# Altium PCB HIP4082-DRIVER.PcbDoc
Units mil, origin at the board's own origin, x right, y up, seen from the top; angles counter-clockwise.
Board outline 2992.13 x 1417.32 mil, 2 copper layers (Top Layer, Bottom Layer); 59 components, 43 nets, 235 pads, 103 vias.
Unrouted connection lines stored in the file: 46.
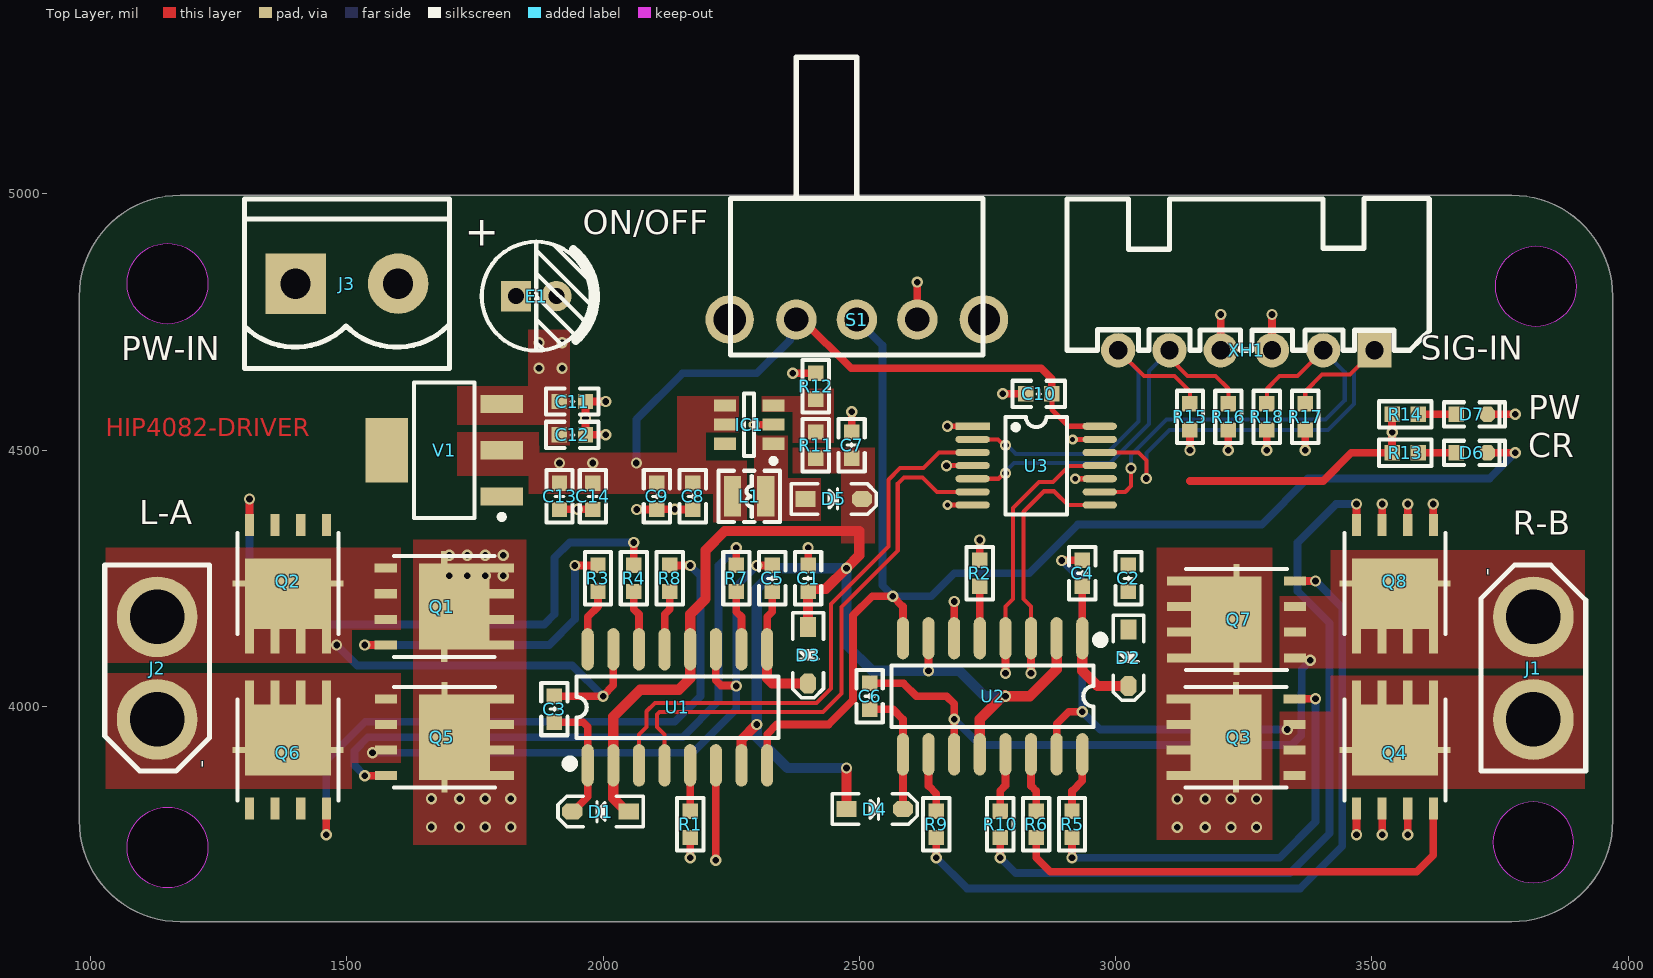
[diagram p0: Top Layer view]
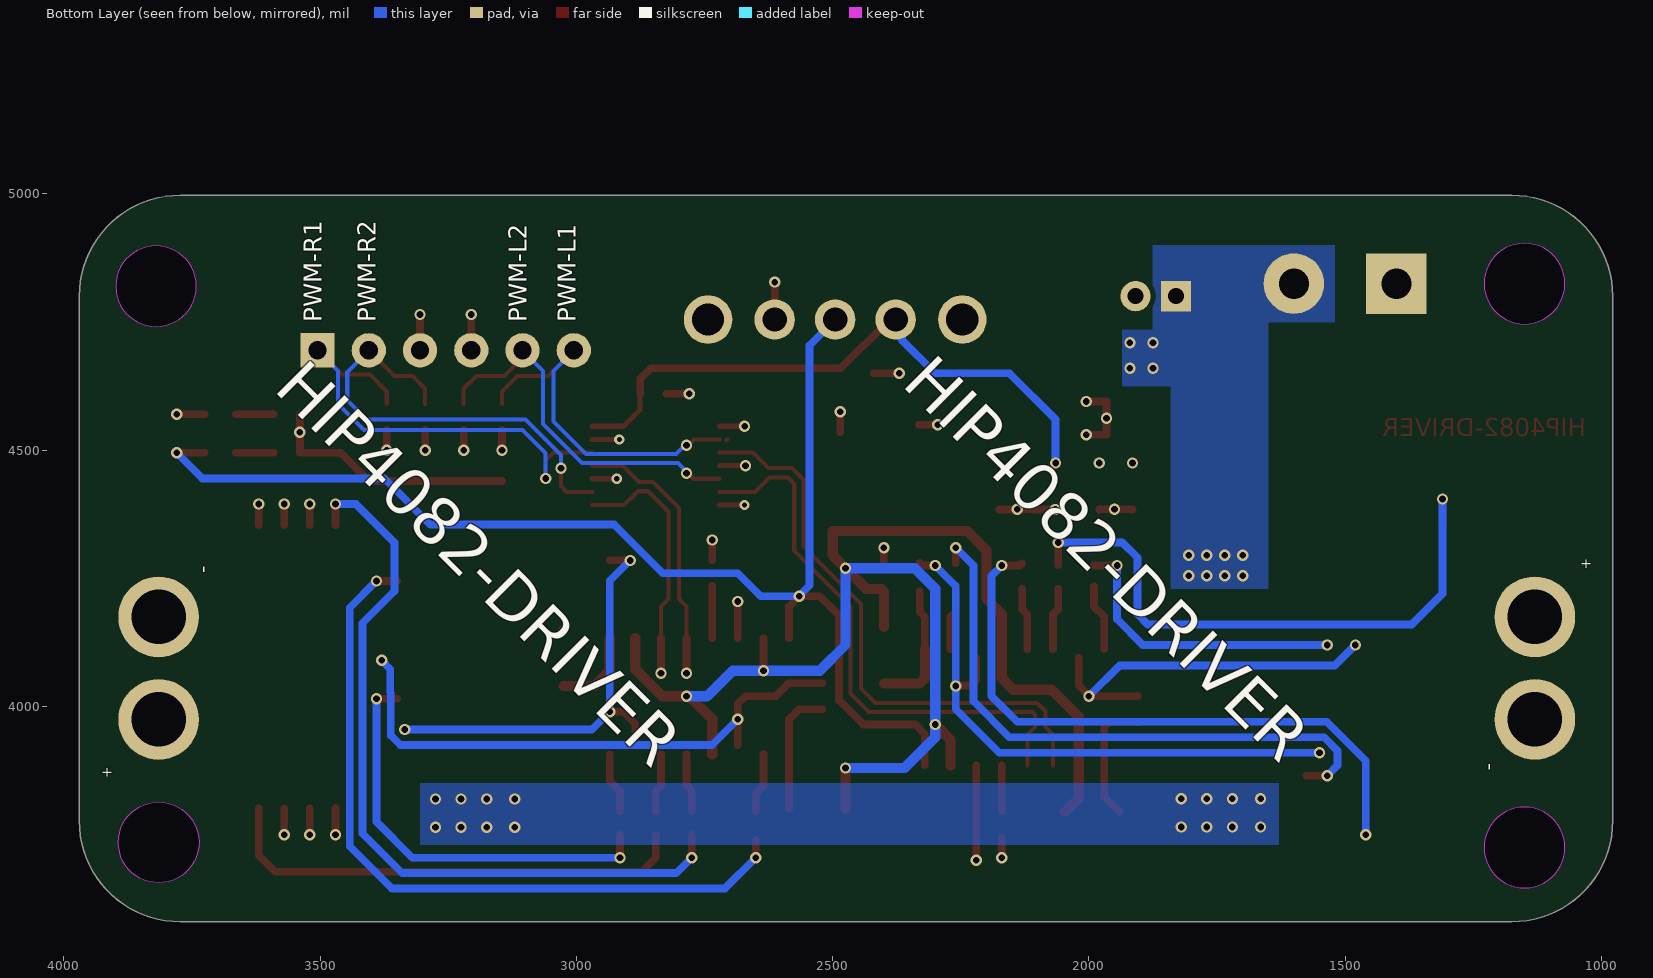
[diagram p1: Bottom Layer view, seen from below]
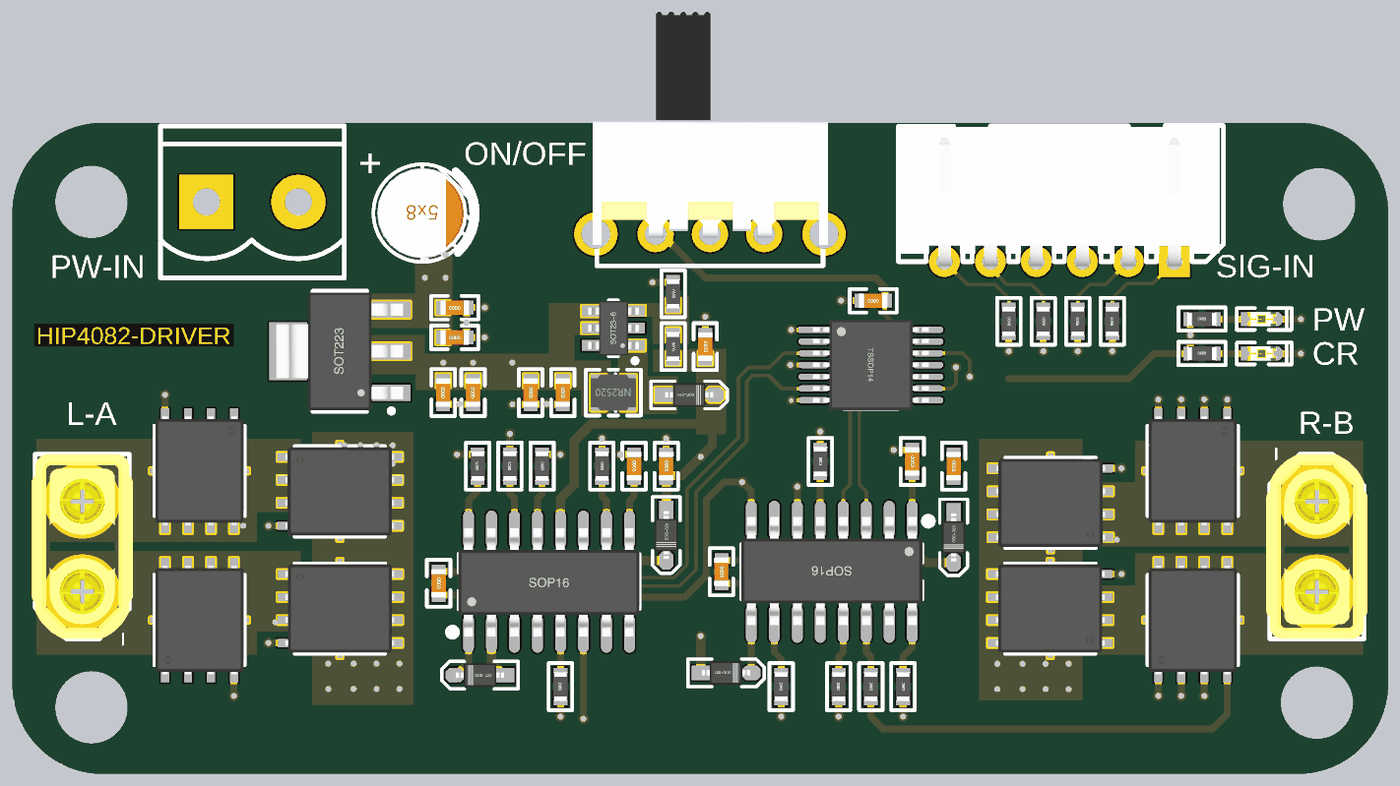
[diagram p2: 3D render of the assembled board from above, using the file's embedded part models]

## Layer stack, top to bottom
Top Solder: solder mask 0.4, Solder Resist, Dk 3.5
Top Layer: signal copper 1.4
Dielectric 1: dielectric 12.6, FR-4, Dk 4.8
Bottom Layer: signal copper 1.4
Bottom Solder: solder mask 0.4, Solder Resist, Dk 3.5

## Board outline
977.87,3776.85 977.87,4800.47 cw(c1174.72,4800.47) 1174.72,4997.32 3773.15,4997.32 cw(c3773.15,4800.47) 3970,4800.47 3970,3776.85 cw(c3773.15,3776.85) 3773.15,3580 1174.72,3580 cw(c1174.72,3776.85)
cut-out: 3820,4741.26 cw(c3820,4820) 3741.26,4820 cw(c3820,4820) 3820,4898.74 cw(c3820,4820) 3898.74,4820 cw(c3820,4820)
cut-out: 1150,3646.26 cw(c1150,3725) 1071.26,3725 cw(c1150,3725) 1150,3803.74 cw(c1150,3725) 1228.74,3725 cw(c1150,3725)
cut-out: 3736.26,3735 ccw(c3815,3735) 3815,3656.26 ccw(c3815,3735) 3893.74,3735 ccw(c3815,3735) 3815,3813.74 ccw(c3815,3735)
cut-out: 1150,4746.26 cw(c1150,4825) 1071.26,4825 cw(c1150,4825) 1150,4903.74 cw(c1150,4825) 1228.74,4825 cw(c1150,4825)

## Design rules (kind name [scope] priority, off if disabled: settings)
BoardOutlineClearance [All] p1: gap=10 ignorepadtopadclearanceinfootprint=FALSE except(0: Arc-SplitContinuation Track-SplitContinuation SMDPad-SplitContinuation THPad-SplitContinuation Via-SplitContinuation Fill-SplitContinuation Region-SplitContinuation Text-SplitContinuation; 30: Poly-OutlineEdge Poly-CavityEdge Poly-CutoutEdge Poly-SplitBarrior Poly-SplitContinuation)
Clearance [All] p1: gap=10 ignorepadtopadclearanceinfootprint=FALSE
DiffPairsRouting [All] p1: maxlimit=10 minlimit=10 mostfreqgap=10 toplayer_minwidth=8 toplayer_maxwidth=15 toplayer_prefwidth=8 bottomlayer_minwidth=8 bottomlayer_maxwidth=15 bottomlayer_prefwidth=8 maxuncoupledlength=500
MinimumAnnularRing [All] p1: minimumring=10
PlaneConnect power [All] p1: planeconnectstyle=Direct reliefexpansion=20 reliefentries=4 reliefconductorwidth=10 reliefairgap=10
PolygonConnect [All] p1: connectstyle=Direct reliefconductorwidth=10 reliefentries=4 polygonreliefangle="90 Angle" airgapwidth=10
RoutingVias [All] p1: holewidth=12 width=22 viastyle="Through Hole" minholewidth=12 minwidth=20 maxholewidth=50 maxwidth=50
SolderMaskExpansion [All] p1: expansion=4 istentingtop=FALSE
Width [All] p1: maxlimit=80 minlimit=6 preferedwidth=8
28 further rules are at their usual default settings.

## Classes and differential pairs
net class POWER: 5V 12V GND L-A L-B R-A R-B

## Components (designator, comment, footprint, x,y, rotation, side; value= is the part's Value field where it differs from the comment)
C1 "4.7nF" C0603_L 2400,4250 r270 top
C2 "4.7nF" C0603_L 3025,4250 r270 top
C3 "4.7nF" C0603_L 1905,3995 r270 top
C4 "4.7nF" C0603_L 2935,4260 r270 top
C5 "4.7nF" C0603_L 2330,4250 r270 top
C6 "4.7nF" C0603_L 2520,4020 r270 top
C7 "4.7uF" C0603_L 2485,4510 r270 top
C8 "4.7uF" C0603_L 2175,4410 r270 top
C9 "0.1uF" C0603_L 2105,4410 r270 top
C10 "100nF" C0603_L 2850,4610 r180 top
C11 "10nF" C0603_L 1940,4595 r180 top
C12 "0.1nF" C0603_L 1940,4530 r180 top
C13 "10nF" C0603_L 1915,4410 r90 top
C14 "0.1nF" C0603_L 1980,4410 r90 top
D1 "1N5819" SOD-323 1995,3795 r180 top
D2 "1N5819" SOD-323 3025,4095 r270 top
D3 "1N5819" SOD-323 2400,4100 r270 top
D4 "1N5819" SOD-323 2530,3800 r0 top
D5 "1N5819" SOD-323 2450,4405 r0 top
D6 "LED" LED-0603_R 3695,4495 r0 top
D7 "LED" LED-0603_R 3695,4570 r0 top
E1 "10uF/25V" CT-2.0*5*8-R 1869.53,4800.63 r180 top
IC1 "SX1308" SOT23-6N 2285,4550 r180 top
J1 "XT30" XT30-M 3815,4074.79 r90 top
J2 "XT30" XT30-M 1130,4075 r270 top
J3 "HT-2P" CZ-5.08-L-Z-2P 1400,4825 r0 top
L1 "10uH" NR2520 2285,4410 r180 top
Q1 "TPH1R403NL" DFN5x6 1690,4195 r270 top
Q2 "TPH1R403NL" DFN5x6 1385,4239.69 r180 top
Q3 "TPH1R403NL" DFN5x6 3235,3940 r90 top
Q4 "TPH1R403NL" DFN5x6 3545,3915 r0 top
Q5 "TPH1R403NL" DFN5x6 1690.31,3940 r270 top
Q6 "TPH1R403NL" DFN5x6 1385,3915 r0 top
Q7 "TPH1R403NL" DFN5x6 3235.83,4170 r90 top
Q8 "TPH1R403NL" DFN5x6 3545,4239.69 r180 top
R1 "10K" R0603_L 2170,3770 r90 top
R2 "10K" R0603_L 2735,4260 r270 top
R3 "100R" R0603_L 1990,4250 r90 top
R4 "100R" R0603_L 2060,4250 r90 top
R5 "100R" R0603_L 2915,3770 r270 top
R6 "100R" R0603_L 2845,3770 r270 top
R7 "100R" R0603_L 2260,4250 r270 top
R8 "100R" R0603_L 2130,4250 r270 top
R9 "100R" R0603_L 2650,3770 r90 top
R10 "100R" R0603_L 2775,3770 r90 top
R11 "200K" R0603_L 2415,4510 r270 top
R12 "10K" R0603_L 2415,4625 r270 top
R13 "10K" R0603_L 3565,4495 r0 top
R14 "10K" R0603_L 3565,4570 r0 top
R15 "1K" R0603_L 3145,4565 r270 top
R16 "1K" R0603_L 3220,4565 r270 top
R17 "1K" R0603_L 3370,4565 r90 top
R18 "1K" R0603_L 3295,4565 r90 top
S1 "SS-12F23" SS-12F23 2495,4755 r90 top
U1 "HIP4082IBZT" SOP16_M 2145,3998.5 r90 top
U2 "HIP4082IBZT" SOP16_M 2760,4020 r270 top
U3 "SN74HC125PWR" TSSOP14 2845,4470 r0 top
V1 "SPX1117-3V3" SOT223_L 1690,4500 r180 top
XH1 "XH2.54-6P" XH2.54-6P-WI 3255,4695 r180 top

## Footprints (in the part's own frame and the unit in brackets; to place one, negate y for a bottom-side part, rotate by r counter-clockwise, add the part's x,y. Pads: shape width x height; smd on the part's side, far side on the other; paste and mask are expansions set on the pad)
C0603_L [mil] "无极性贴片电容"
  rect 30x30 smd: 1(-25.59,0) 2(25.59,0)
  silkscreen extent -51,-26 51,26, body extent -31,-16 32,16, height 33
CT-2.0*5*8-R [mm] "脚距2mm , 直径5mm , 高8mm"
  rect 1.5x1.5 hole 0.8: 1(1,0)
  round 1.5 hole 0.8: 2(-1,0)
  silkscreen extent -2.96,-2.7 2.7,2.7, body extent -2.5,-2.49 2.5,2.49, height 8.06
CZ-5.08-L-Z-2P [mm]
  rect 3x3 hole 1.5: 1(0,0)
  round 3 hole 1.5: 2(5.08,0)
  silkscreen extent -2.54,-4.2 7.62,4.2, body extent -2.58,-4.25 7.58,4.15, height 10.27
DFN5x6 [mm]
  rect 0.45x1.6 smd: 1(-1.905,2.65) 1(-0.635,2.65) 1(0.635,2.65) 1(1.905,2.65)
  rect 5.5x0.3 smd: 1(0,0)
  rect 4.25x3.5 smd: 1(0,0.5)
  rect 0.45x1.1 smd: 2(1.905,-2.9) 3(-1.905,-2.9) 3(-0.635,-2.9) 3(0.635,-2.9)
  silkscreen extent -2.5,-2.5 2.5,2.5, body extent -2.45,-3 2.45,3, height 1
LED-0603_R [mil] "红色0603LED"
  rect 30x30 smd: 1(-30.59,0)
  oct 30x30 smd: 2(30.59,0)
  silkscreen extent -54,-24 65,24, body extent -32,-16 31,16, height 24
NR2520 [mm] "2.5mm*2.0mm*1.0mm(长*宽*高）"
  rect 0.85x2 smd: 1(-0.825,0) 2(0.825,0)
  silkscreen extent -1.52,-1.27 1.52,1.27, body extent -1.25,-1 1.25,1, height 1.12
R0603_L [mil] "1/10W贴片电阻"
  rect 30x30 smd: 1(-25.59,0) 2(25.59,0)
  silkscreen extent -51,-26 51,26, body extent -31,-16 32,16, height 16
SOD-323 [mm] "1.8x1.3X0.9mm（长宽高，不包括引脚）"
  rect 1x0.8 smd: 1(-1.4,0)
  oct 1x0.8 smd: 2(1.4,0)
  silkscreen extent -2.11,-0.76 2.11,0.76, body extent -1.32,-0.65 1.32,0.65, height 0.95
SOP16_M [mm] "10.3*6.2*1.8mm（长宽高）"
  oval 2.1x0.6 smd: 1(-2.875,4.445) 2(-2.875,3.175) 3(-2.875,1.905) 4(-2.875,0.635) 5(-2.875,-0.635) 6(-2.875,-1.905) 7(-2.875,-3.175) 8(-2.875,-4.445) 9(2.875,-4.445) 10(2.875,-3.175) 11(2.875,-1.905) 12(2.875,-0.635) 13(2.875,0.635) 14(2.875,1.905) 15(2.875,3.175) 16(2.875,4.445)
  silkscreen extent -2.95,-5 1.52,5.49, body extent -3.05,-5 2.96,5, height 1.9
SOT23-6N [mm] "SOT-23, 6-Leads, Body 2.90x1.60mm, Pitch 0.95mm, IPC Medium Density"
  rect 1.1x0.6 smd: 1(-1.2,0.95) 2(-1.2,0) 3(-1.2,-0.95) 4(1.2,-0.95) 5(1.2,0) 6(1.2,0.95)
  silkscreen extent -1.33,-1.55 0.25,1.92, body extent -1.41,-1.5 1.4,1.5, height 1.15
SOT223_L [mm] "SOT223, 4-Leads, Body 6.5x3.5mm, Pitch 2.3mm, Lead Span 7mm, IPC High Density"
  rect 2.1x0.9 smd: 1(-2.85,2.3) 2(-2.85,0) 3(-2.85,-2.3)
  rect 2.1x3.2 smd: 4(2.85,0)
  silkscreen extent -2.98,-3.35 1.5,3.42, body extent -3.51,-3.25 3.51,3.25, height 1.65
SS-12F23 [mm] "脚距3mm"
  round 2.4 hole 1.6: 0(0,6.3) 0(0,-6.3)
  round 2 hole 1.2: 1(0,3) 2(0,0) 3(0,-3)
  silkscreen extent -1.75,-6.25 13,6.25, body extent -0.61,-6.52 12.29,6.48, height 5.75
TSSOP14 [mm]
  rect 1.7x0.35 smd: 1(-3.15,1.95)
  oval 1.7x0.35 smd: 2(-3.15,1.3) 3(-3.15,0.65) 4(-3.15,0) 5(-3.15,-0.65) 6(-3.15,-1.3) 7(-3.15,-1.95) 8(3.15,-1.95) 9(3.15,-1.3) 10(3.15,-0.65) 11(3.15,0) 12(3.15,0.65) 13(3.15,1.3) 14(3.15,1.95)
  silkscreen extent -1.52,-2.41 1.52,2.41, body extent -3.2,-2.49 3.2,2.51, height 1.03
XH2.54-6P-WI [mm] "接插件，6P"
  rect 1.7x1.7 hole 0.9: 1(-6.35,0)
  round 1.7 hole 0.9: 2(-3.81,0) 3(-1.27,0) 4(1.27,0) 5(3.81,0) 6(6.35,0)
  silkscreen extent -9.07,-7.53 8.89,0, body extent -8.85,-7.45 8.85,0.25, height 2.89
XT30-M [mm]
  round 4 hole 2.7: 1(-2.54,0) 2(2.54,0)
  silkscreen extent -5.1,-2.6 5.11,2.6, body extent -5.1,-2.8 5.1,2.8, height 10.66

## Part data
C1 C2 C3 C4 C5 C6 C7 C8 C9 C10 C11 C12 C13 C14: library part C-SMD, "贴片电容", BOM名称=无极性贴片电容
D1 D2 D3 D4 D5: "肖特基二极管", BOM名称=肖特基二极管
D6 D7: library part LED_SMD, "贴片发光二极管"
E1: library part C-CS, "直插固态电容", BOM名称=直插固态电容
IC1: "可调2A升压芯片", BOM名称=可调升压芯片
J1 J2: "30A Low Temperature Rise Fire Retardant Plug", Manufacturer_Name=Amass, Manufacturer_Part_Number=XT30PW-M, Datasheet Link=https://www.tme.eu/sl/Document/ce4077e36b79046da520ca73227e15de/XT30PW%20SPEC.pdf, Geometry.Height=5mm
J3: library part XT30PW-M, "30A Low Temperature Rise Fire Retardant Plug", Manufacturer_Name=Amass, Datasheet Link=https://www.tme.eu/sl/Document/ce4077e36b79046da520ca73227e15de/XT30PW%20SPEC.pdf, Geometry.Height=5mm, Manufacturer_Part_Number=XT30PW-M
L1: library part L-NR, "NR磁胶电感", BOM名称=NR磁胶电感
Q1 Q2 Q3 Q4 Q5 Q6 Q7 Q8: "N沟道MOS"
R1 R2 R3 R4 R5 R6 R7 R8 R9 R10 R11 R12 R13 R14 R15 R16 R17 R18: library part R-SMD, "贴片电阻", BOM名称=贴片电阻
S1: library part SSW-1P, "1路波动开关", BOM名称=波动开关
U1 U2: "全桥MOSFET驱动芯片 SOP-16"
U3: "三态输出的四路缓冲器"
V1: library part SPX1117, "三端稳压芯片", BOM名称=稳压芯片

## Via types
v1: diameter 22, hole 13, Top Layer to Bottom Layer, tented both sides, 100 vias
v2: diameter 20, hole 10, Top Layer to Bottom Layer, tented both sides, 3 vias

## Nets (pads, with @x,y where several pads share a name; then routed paths per layer and width w, separated by ;. In a path a pad name is that pad's centre, name@x,y a point inside that pad or via, vN(x,y) a via of type N, cw(c..) or ccw(c..) an arc to the next point about the centre after c; other vN are vias at no path point)
5V: C8.1 C9.1 C10.1 C13.2 C14.2 IC1.4 IC1.5 L1.2 R13.1 R14.1 S1.1 U3.14 V1.2 | length 1699.8
  Top Layer w10: C10.1 2875.59,4579.41 2908.23,4546.77 U3.14
  Top Layer w15: S1.1 2388.89,4755 2483.89,4660 2855,4660 2875.59,4639.41 C10.1 ; 3145,4440 3405,4440 3460,4495 R13.1 R14.1
  Bottom Layer w15: v1(2065,4475) 2065,4560 2155,4650 2300,4650 2364.69,4714.69 2364.69,4742.8 S1.1
  other v1: 1915,4475 1980,4475 3540,4535
12V: C1.2 C2.2 C7.2 D1.1 D2.1 D3.1 D4.1 D5.2 R11.2 U1.2 U1.7 U1.12 U2.2 U2.7 U2.12 | length 2940.6
  Top Layer w15: D1.1@2046.18,3795 D1.1 ; v1(2635,4070) U2.7
  Top Layer w20: D1.1@2046.18,3795 2020,3821.18 U1.2 2020,3980 2072.5,4032.5 2147.5,4032.5 2170,4055 U1.12 2170,4180 2200,4210 2200,4305 2237.5,4342.5 2500,4342.5 2500,4295 v1(2475,4270) 2434.41,4229.41 2405,4229.41 C1.2 D3.1 ; U1.7 2270,3935 v1(2300,3965) ; D4.1 v1(2474.88,3879.88) ; U2.12 2735,3975 v1@2782.5,4022.5 ; v1(2785,4020) 2832.43,4020 2885,4072.57 U2.2
  Bottom Layer w20: v1(2474.88,3879.88) 2360.12,3879.88 2300,3940 2300,4230 2340,4270 v1(2475,4270) 2475,4120 2525,4070 v1(2635,4070) 2695,4070 2745,4020 v1(2785,4020)
DIS: D6.2 S1.2 U1.8 U2.8 | length 2557
  Top Layer w15: U1.8 2320,3946.11 2338.89,3965 2440,3965 2487.5,4012.5 2487.5,4177.5 2525,4215 v1(2565,4215) 2585,4195 U2.8 ; D6.2 v1(3780,4495)
  Bottom Layer w15: S1.2 2545,4705 2545,4236.35 v1@2565,4216.35 ; v1(2565,4215) 2640,4215 2685,4260 2831.11,4260 2926.11,4355 3285,4355 3375,4445 3730,4445 v1(3780,4495)
GND: C1.1 C2.1 C7.1 C8.2 C9.2 C10.2 C11.1 C12.1 C13.1 C14.1 D7.2 E1.2 IC1.2 J3.1 Q2.3 Q4.3 Q6.3 Q8.3 R1.1 R2.1 R12.1 R15.2 R16.2 R17.1 R18.1 S1.3 U1.6 U2.6 U3.1 U3.4 U3.7 U3.10 U3.13 V1.1 XH1.3 XH1.4 | length 1811.7
  Top Layer w10: v1(2670,4470) U3.4 ; v2(2671.77,4393.23) U3.7 ; v1(2671.77,4546.77) U3.1 ; v2(2916.18,4521.18) U3.13 ; v2(2921.28,4444.41) U3.10
  Top Layer w15: C13.1 1915.29,4384.7 1949.7,4384.7 v1(1950,4385) 1950.3,4384.7 1979.71,4384.7 C14.1 ; v1(2005,4530) C12.1 C11.1 v1(2005,4595) ; v1(2065.59,4384.41) C9.2 2105.29,4384.71 2139.71,4384.71 v1(2140,4385) ; v1@2139.41,4384.41 C8.2 ; v1(2170,3705) R1.1 ; v1(2220,3700) U1.6 ; v1(2295,4550) IC1.2 ; v1(2370,4650) 2370.3,4650.3 2419.11,4650.3 R12.1@2419.41,4650 ; C1.1 v1(2400,4310) ; C7.1 v1(2485,4575) ; S1.3 v1(2613.11,4828.11) ; U2.6 v1(2685,4205) ; R2.1 v1(2735,4325) ; v1(2780,4610) C10.2 ; v1(3145,4500) R15.2 ; XH1.4 v1(3205,4765) ; v1(3220,4500) R16.2 ; v1(3295,4500) R18.1 ; XH1.3 v1(3305,4765) ; v1(3370,4500) R17.1 ; v1(3470,3750) Q4.3@3470,3800.83 ; v1(3520,3750) Q4.3@3520,3800.83 ; Q8.3@3520,4353.86 v1(3520,4395) ; v1(3570,3750) Q4.3@3570,3800.83 ; Q8.3@3570,4353.86 v1(3570,4395) ; Q8.3@3620,4353.86 v1(3620,4395) ; D7.2 v1(3780,4570)
  other v1: 1965.59,4562.5
L-A: C3.1 J2.1 Q1.3 Q2.1 U1.15 | length 740
  Top Layer w15: C3.1 1905.29,4020.3 1999.7,4020.3 v1(2000,4020) 2000,4021.35 2020,4041.35 U1.15@2020,4095
  Bottom Layer w15: v1(1480,4120) 1520,4080 1940,4080 v1(2000,4020)
L-B: C5.1 J2.2 Q5.3 Q6.1 U1.11 | length 1162.3
  Top Layer w15: U1.11@2220,4095 2220,4051.1 2230.14,4040.96 2259.04,4040.96 v1(2260,4040) ; v1(2300,4275) 2300.3,4275.3 2325.3,4275.3 C5.1@2330,4280
  Bottom Layer w15: v1(1550,3910) 2175,3910 2260,3995 v1(2260,4040) 2260,4235 v1(2300,4275)
NetC3_2: C3.2 D1.2 U1.1 | length 247.2
  Top Layer w15: C3.2 1961.21,3969.41 1970,3960.63 1970,3824.26 1940.74,3795 D1.2
NetC4_2: C4.2 D2.2 U2.1 | length 266.9
  Top Layer w15: U2.1 C4.2
  Top Layer w20: U2.1 2935,4070 2965.12,4039.88 D2.2
NetC5_2: C5.2 D3.2 U1.9 | length 257.7
  Top Layer w15: U1.9 2320,4175 2330,4185 C5.2
  Top Layer w20: U1.9 2320,4055 2330.12,4044.88 D3.2
NetC6_2: C6.2 D4.2 U2.9 | length 248.1
  Top Layer w15: C6.2 2565.59,3994.41 2585,3975 U2.9 2585,3815.12 2585.12,3815 D4.2
NetD5_1: D5.1 IC1.1 L1.1
NetD6_1: D6.1 R13.2 | length 73.8
  Top Layer w15: R13.2 D6.1
NetD7_1: D7.1 R14.2 | length 73.8
  Top Layer w15: R14.2 D7.1
NetIC1_3: IC1.3 R11.1 R12.2
NetQ1_2: Q1.2 R3.2 | length 621.8
  Top Layer w15: v1(1535,4120) Q1.2 ; v1(1945,4275) 1945.29,4275.29 1989.71,4275.29 R3.2
  Bottom Layer w15: v1(1535,4120) 1895,4120 1945,4170 v1(1945,4275)
NetQ2_2: Q2.2 R4.2 | length 1185.8
  Top Layer w15: Q2.2@1310,4354.17 v1(1310,4405) ; R4.2 v1(2060,4320)
  Bottom Layer w15: v1(1310,4405) 1310,4220 1370,4160 1885,4160 1905,4180 1905,4290 1935,4320 v1(2060,4320)
NetQ3_2: Q3.2 R5.2 | length 828.4
  Top Layer w15: v1(2915,3705) R5.2@2915,3749.41 ; Q3.2@3350,4015 v1(3390,4015)
  Bottom Layer w15: v1(2915,3705) 3320,3705 3390,3775 v1(3390,4015)
NetQ4_2: Q4.2 R6.2 | length 935.1
  Top Layer w15: R6.2@2845,3749.41 2845,3705 2872.5,3677.5 3587.5,3677.5 3620,3710 Q4.2
NetQ5_2: Q5.2 R7.1 | length 1191.3
  Top Layer w15: v1(1535,3865) Q5.2 ; R7.1@2260,4280 v1(2260,4310)
  Bottom Layer w15: v1@1534.04,3865.96 1515,3885 1515,3913.89 1541.11,3940 2155,3940 2225,4010 2225,4275 v1(2260,4310)
NetQ6_2: Q6.2 R8.1 | length 1281.2
  Top Layer w15: v1(1460,3750) Q6.2 ; R8.1@2130.96,4279.04 2134.7,4275.3 2169.7,4275.3 v1(2170,4275)
  Bottom Layer w15: v1(1460,3750) 1460,3894.25 1535.75,3970 2140,3970 2190,4020 2190,4255 v1(2170,4275)
NetQ7_2: Q7.2 R9.1 | length 1465.2
  Top Layer w15: v1(2650,3705) R9.1@2650,3739.41 ; Q7.2 v1(3390,4245)
  Bottom Layer w15: v1(2650,3705) 2710,3645 3360,3645 3442.5,3727.5 3442.5,4192.5 v1(3390,4245)
NetQ8_2: Q8.2 R10.1 | length 1512
  Top Layer w15: v1(2775,3705) R10.1@2775,3749.41 ; Q8.2 v1(3470,4395)
  Bottom Layer w15: v1(2775,3705) 2805,3675 3340,3675 3417.5,3752.5 3417.5,4162.5 3355,4225 3355,4320 3430,4395 v1(3470,4395)
NetR1_2: R1.2 U1.5 | length 89.7
  Top Layer w15: R1.2 U1.5
NetR2_2: R2.2 U2.5 | length 101.8
  Top Layer w15: U2.5 R2.2@2735,4234.99
NetR3_1: R3.1 U1.16 | length 130.7
  Top Layer w15: U1.16 1970,4175 1990,4195 R3.1@1990,4234.07
NetR4_1: R4.1 U1.14 | length 121.9
  Top Layer w15: R4.1@2060,4229.41 2060,4190 2070,4180.01 U1.14
NetR5_1: R5.1 U2.16 | length 119.5
  Top Layer w15: R5.1 2915,3835 2935,3855 U2.16
NetR6_1: R6.1 U2.14 | length 115.4
  Top Layer w15: U2.14 2835,3845 2845,3835 R6.1
NetR7_2: R7.2 U1.10 | length 116.9
  Top Layer w15: R7.2 2260,4185 2270,4175 U1.10
NetR8_2: R8.2 U1.13 | length 121.9
  Top Layer w15: U1.13 2120,4180 2130,4190 R8.2@2130,4229.41
NetR9_2: R9.2 U2.10 | length 117.4
  Top Layer w15: U2.10 2635,3845 2650,3830 R9.2
NetR10_2: R10.2 U2.13 | length 115.4
  Top Layer w15: R10.2 2775,3835.84 2785,3845.84 U2.13
PWM-L1: R15.1 U3.2 XH1.6 | length 716.2
  Top Layer w8: U3.2@2705.41,4521.18 U3.2@2706.52,4520.08 ; U3.2 2770.57,4521.18 2781.75,4510 v1(2785,4510) ; XH1.6 3055,4645 3115,4645 3145,4615 R15.1
  Bottom Layer w8: v1(2785,4510) 2788.25,4510 2805.25,4493 2981.63,4493 3045,4556.37 3045,4655 XH1.6
PWM-L1A: U1.3 U3.3 | length 1129.6
  Top Layer w8: U1.3 2070,3945 2085,3960 2085,3990.77 2101.23,4007 2416.54,4007 2445,4035.46 2445,4200 2557,4312 2557,4442.46 2579.54,4465 2625,4465 2655.59,4495.59 U3.3
PWM-L2: R16.1 U3.5 XH1.5 | length 734.7
  Top Layer w8: U3.5 2771.16,4444.41 2781.75,4455 v1(2785,4455) ; XH1.5 3105,4680.46 3140.46,4645 3195,4645 3220,4620 R16.1
  Bottom Layer w8: v1(2785,4455) 2785,4458.23 2801.77,4475 2989.09,4475 3065,4550.91 3065,4655 XH1.5
PWM-L2A: U1.4 U3.6 | length 1100.3
  Top Layer w8: U1.4 2120,3945 2105,3960 2105,3984.31 2109.69,3989 2429,3989 2465,4025 2465,4194.54 2575,4304.54 2575,4435 2587,4447 2623,4447 2651.18,4418.82 U3.6
PWM-R1: R18.2 U3.9 XH1.2 | length 872.8
  Top Layer w8: U3.9 3018.82,4418.82 3030,4430 v1(3030,4465) ; R18.2 3295,4620 3320,4645 3355,4645 XH1.2
  Bottom Layer w8: v1(3030,4465) 3030,4490.46 3099.54,4560 3409.54,4560 3447,4597.46 3447,4653 XH1.2
PWM-R1A: U2.3 U3.8 | length 497.9
  Top Layer w8: U2.3 2835,4195 2820,4210 2820,4380 2860,4420 2880,4420 2906.77,4393.23 U3.8
  Top Layer w15: v1(2835,4065) U2.3
PWM-R2: R17.2 U3.12 XH1.1 | length 940.9
  Top Layer w8: U3.12 3044.41,4495.59 3060,4480 v1(3060,4445) ; R17.2 3370,4615 3402.54,4647.54 3457.54,4647.54 XH1.1
  Bottom Layer w8: v1(3060,4445) 3060,4495 3104.77,4539.77 3414.77,4539.77 3465,4590 3465,4655 XH1.1
PWM-R2A: U2.4 U3.11 | length 531.9
  Top Layer w8: U2.4 2785,4195 2800,4210 2800,4387.54 2850.46,4438 2878,4438 2908.89,4468.89 2967.91,4468.89 U3.11
  Top Layer w15: v1(2785,4065) U2.4
R-A: C4.1 J1.1 Q3.3 Q4.1 U2.15 | length 867.4
  Top Layer w15: U2.15@2885,3925 2885,3966.21 2908.79,3990 v1(2935,3990) ; v1(2895,4285) 2895.3,4285.3 2934.7,4285.3 C4.1
  Bottom Layer w15: v1(2895,4285) 2935,4245 v1(2935,3990) 2970,3955 v1(3335,3955)
R-B: C6.1 J1.2 Q7.3 Q8.1 U2.11 | length 1121.4
  Top Layer w15: C6.1 2585.95,4045.59 2611.55,4020 2670,4020 2685,4005 v1(2685,3975) U2.11@2685,3925
  Bottom Layer w15: v1(2685,3975) 2735,3925 3343.89,3925 3362.5,3943.61 3362.5,4026.39 3362.89,4026.78 3362.89,4072.89 v1(3380,4090)
VCC: C11.2 C12.2 E1.1 J3.2 Q1.1 Q3.1 Q5.1 Q7.1 V1.3
  other v1: 1665,3765 1720,3765 1770,3765 1820,3765 3120,3764.58 3175,3764.58 3225,3764.58 3275,3764.58 1665,3820 1720,3820 1770,3820 1820,3820 3120,3819.58 3175,3819.58 3225,3819.58 3275,3819.58 1700,4255 1735,4255 1770,4255 1805,4255 1700,4295 1735,4295 1770,4295 1805,4295 1875,4660 1920,4660 1875,4710 1920,4710
pads on no net: IC1.6 S1.0 V1.4

## Polygon pours and split planes (outlines as drawn)
VCC on Bottom Layer "Bottom Layer-VCC" (solid, pour order 27): 1650,4230 1840,4230 1840,4625 1935,4625 1935,4735 1875,4735 1875,4900 1520,4900 1520,4750 1650,4750
VCC on Bottom Layer "NONET_L01_P-001" (solid, pour order 12): 1630,3850 1630,3730 3305,3730 3305,3850
NetIC1_3 on Top Layer "Top Layer-NetIC1_3" (solid, pour order 45): 2310,4575 2370,4575 2370,4515 2450,4515 2450,4605 2450,4620 2390,4620 2390,4605 2310,4605
5V on Top Layer "Top Layer-5V" (solid, pour order 43): 2215,4415 2215,4360 2280,4360 2280,4480 2200,4480 2200,4535 2265,4535 2265,4605 2145,4605 2145,4495 1875,4495 1875,4535 1715,4535 1715,4450 1855,4450 1855,4415
L-B on Top Layer "Top Layer-L-B" (solid, pour order 41): 1030,3840 1510,3840 1510,3890 1605,3890 1605,4065 1030,4065
L-A on Top Layer "Top Layer-L-A" (solid, pour order 39): 1030,4085 1510,4085 1510,4150 1605,4150 1605,4310 1030,4310
R-B on Top Layer "Top Layer-R-B" (solid, pour order 37): 3915,4075 3915,4305 3420,4305 3420,4215 3320,4215 3320,4075
R-A on Top Layer "Top Layer-R-A" (solid, pour order 35): 3915,3840 3915,4060 3420,4060 3420,3990 3320,3990 3320,3840
VCC on Top Layer "Top Layer-No Net" (solid, pour order 29): 1715,4550 1885,4550 1885,4510 1935,4510 1935,4620 1935,4735 1853.54,4735 1853.54,4625 1715,4625
12V on Top Layer "NONET_L01_P-001" (solid, pour order 18): 2370,4505 2370,4455 2465,4455 2465,4318.75 2530,4318.75 2530,4505
NetD5_1 on Top Layer "NONET_L01_P-001" (solid, pour order 17): 2295,4530 2295,4465 2295,4360 2425,4360 2425,4445 2360,4445 2360,4530
VCC on Top Layer "NONET_L01_P-001" (solid, pour order 9): 3305.31,4310 3305.31,3740 3080.31,3740 3080.31,4310
VCC on Top Layer "NONET_L01_P-001" (solid, pour order 1): 1630,4325 1630,3730 1850,3730 1850,4325

## Other copper
Top Layer:
  text "HIP4082-DRIVER" at 1030,4515.62 h60

## Silkscreen, mask and mechanical layers (free items; w line width, h text height)
Top Overlay:
  text "ON/OFF" at 1960,4905.89 h80
  text "+" at 1730,4879.66 h100
  text "SIG-IN" at 3595,4660.83 h80
  text "PW-IN" at 1060,4660 h80
  text "PW" at 3805,4545 h80
  text "CR" at 3805,4470.83 h80
  text "L-A" at 1095,4340 h80
  text "R-B" at 3775,4320 h80
Bottom Overlay:
  text "PWM-L1" at 2990,4750 h60 r270
  text "PWM-L2" at 3085,4750 h60 r270
  text "PWM-R2" at 3380,4750 h60 r270
  text "PWM-R1" at 3485,4750 h60 r270
  text "HIP4082-DRIVER" at 2388.84,4606.16 h157.48 r45
  text "HIP4082-DRIVER" at 3613.84,4596.16 h157.48 r45
Top Solder:
  region: 1025,4560 1025,4510 1460,4510 1460,4560
Mechanical 1:
  circle w10: c3820,4820 r78.74
  circle w10: c1150,3725 r78.74
  circle w10: c3815,3735 r78.74
  circle w10: c1150,4825 r78.74
  lines w10: 977.87,3776.85 ccw(c1174.72,3776.85) 1174.72,3580 3773.15,3580 ccw(c3773.15,3776.85) 3970,3776.85 3970,4800.47 ccw(c3773.15,4800.47) 3773.15,4997.32 1174.72,4997.32 ccw(c1174.72,4800.47) 977.87,4800.47 977.87,3776.85

## Text inside footprints (layer, text, board x,y; h text height)
J1: Top Overlay "-" at 3738,4254.79 h30 r90; Bottom Overlay "+" at 3924.24,3882.68 h20 r90; Bottom Overlay "-" at 3738,4274.79 h30 r90
J2: Top Overlay "-" at 1207,3895 h30 r270; Bottom Overlay "+" at 1020.76,4267.11 h20 r270; Bottom Overlay "-" at 1207,3875 h30 r270